# Altium PCB relay_matrix.PcbDoc (part 1 of 5) (continued)
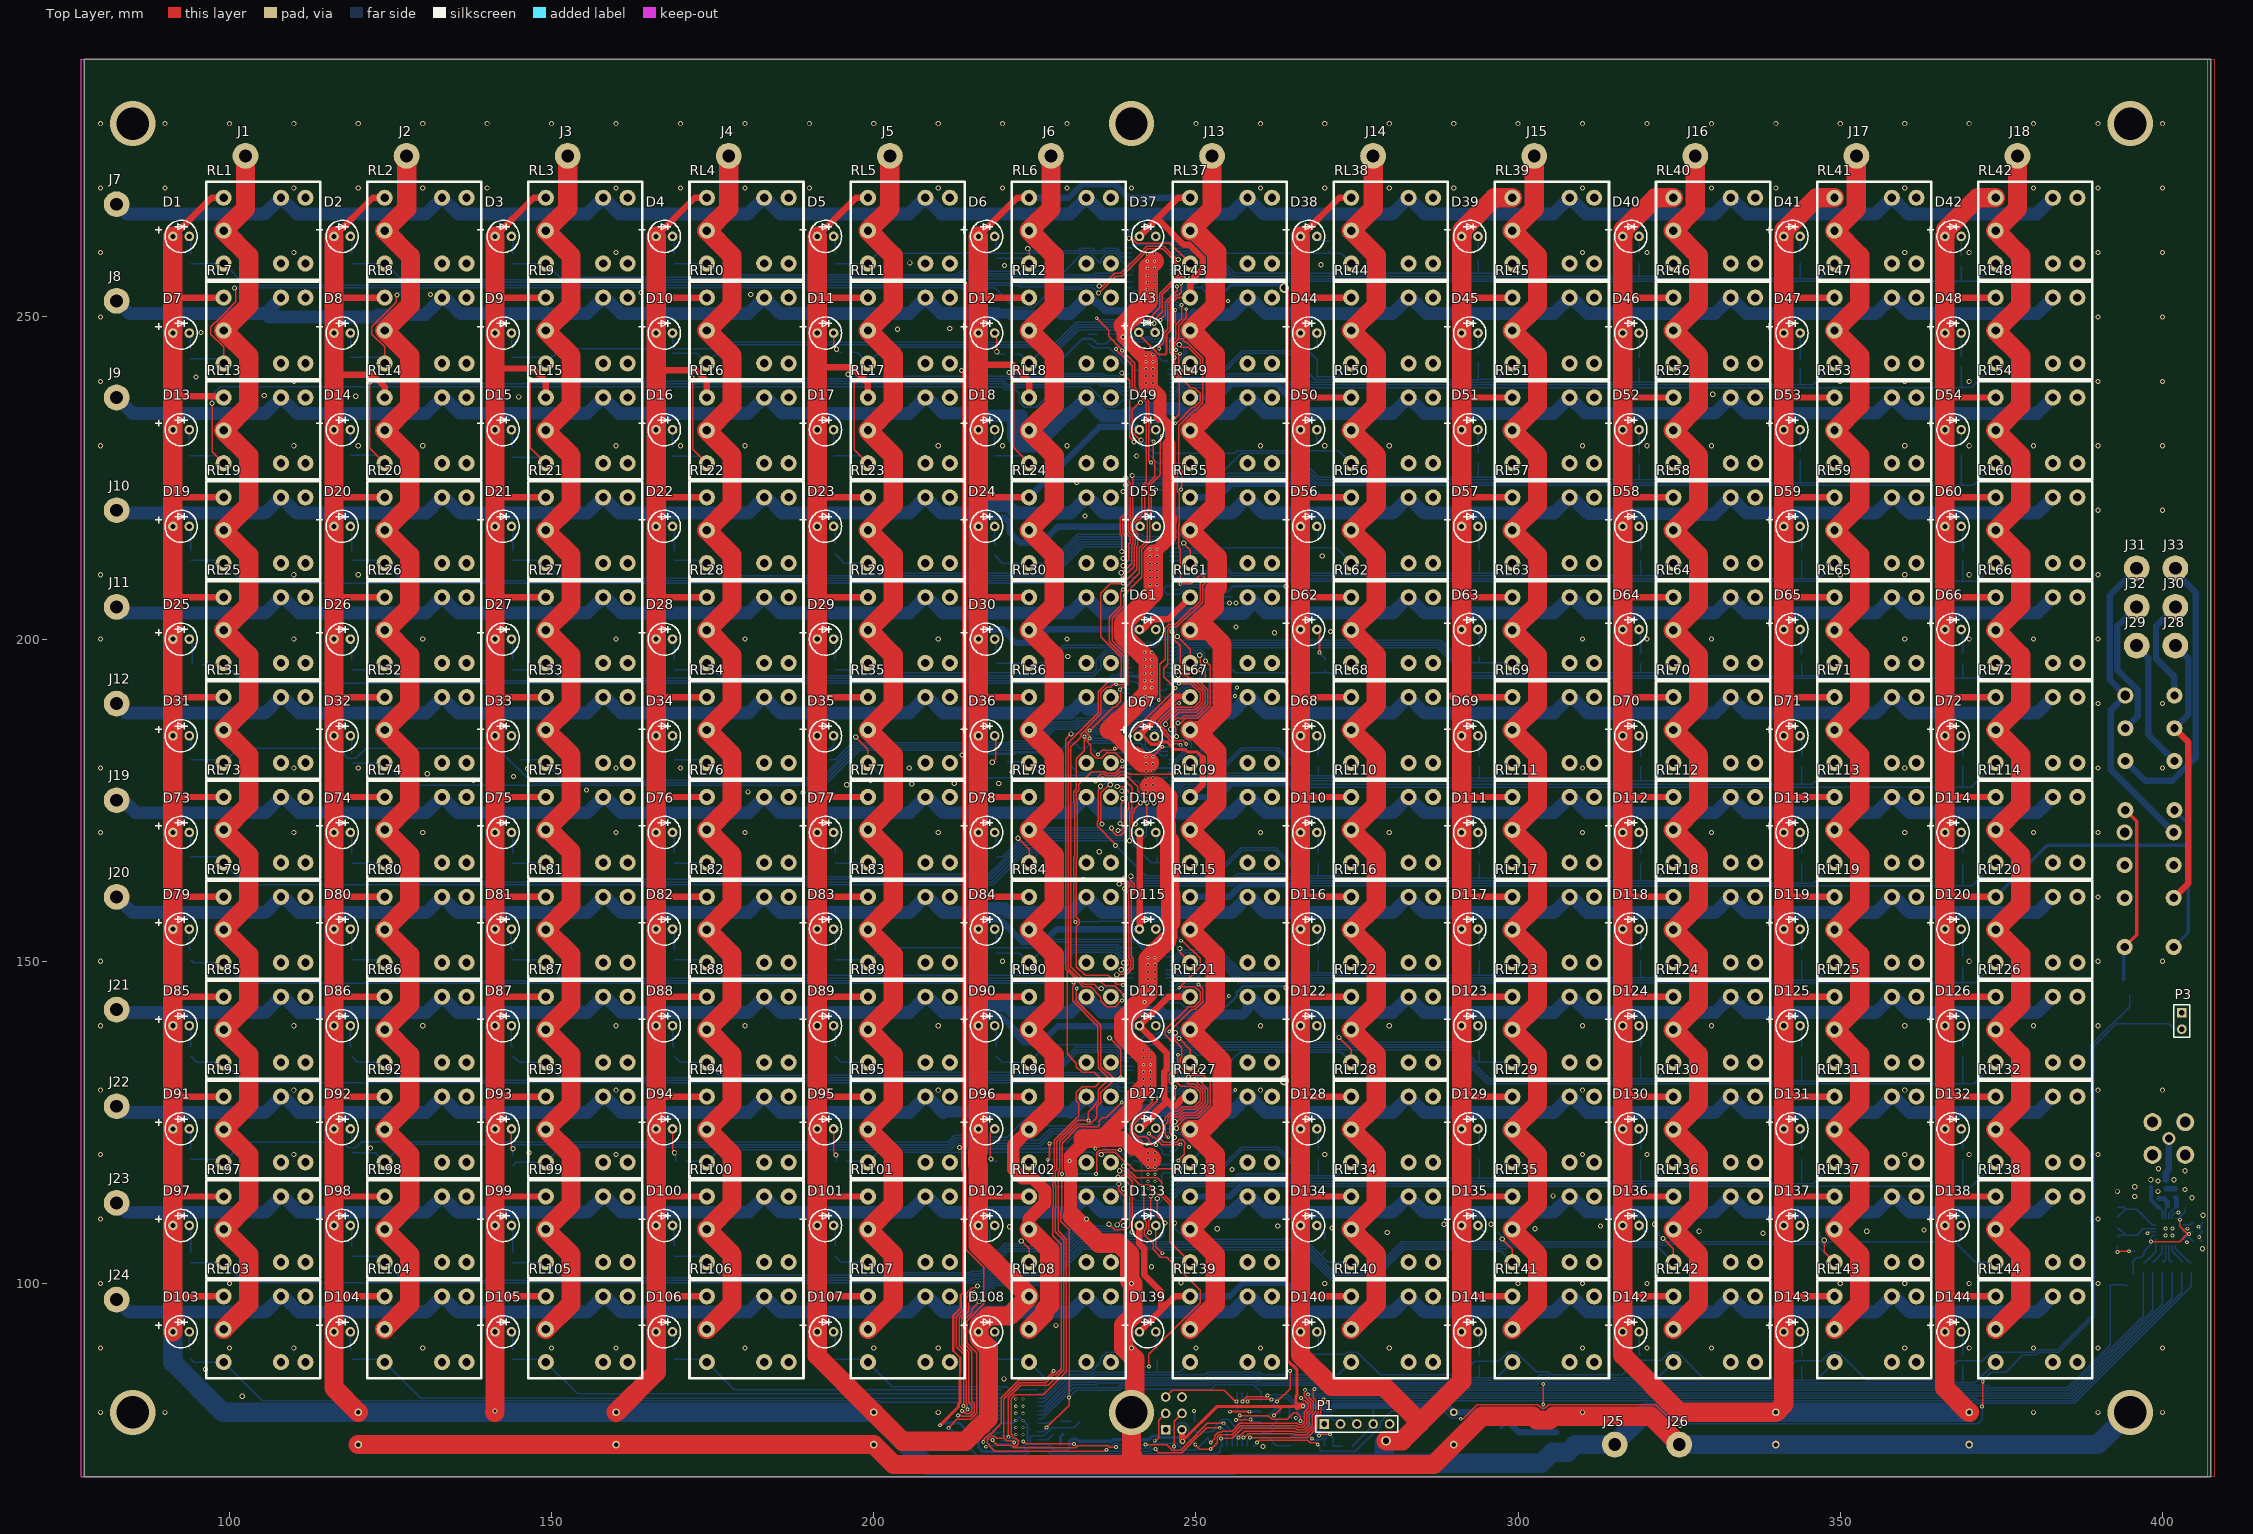
[diagram p0: Top Layer view]
## Components (designator, comment, footprint, x,y, rotation, side; value= is the part's Value field where it differs from the comment) (continued)
D129 "LED0" LED_round_5mm 292.5,124 r0 top
D130 "LED0" LED_round_5mm 317.5,124 r0 top
D131 "LED0" LED_round_5mm 342.5,124 r0 top
D132 "LED0" LED_round_5mm 367.5,124 r0 top
D133 "LED0" LED_round_5mm 242.5,109 r0 top
D134 "LED0" LED_round_5mm 267.5,109 r0 top
D135 "LED0" LED_round_5mm 292.5,109 r0 top
D136 "LED0" LED_round_5mm 317.5,109 r0 top
D137 "LED0" LED_round_5mm 342.5,109 r0 top
D138 "LED0" LED_round_5mm 367.5,109 r0 top
D139 "LED0" LED_round_5mm 242.5,92.5 r0 top
D140 "LED0" LED_round_5mm 267.5,92.5 r0 top
D141 "LED0" LED_round_5mm 292.5,92.5 r0 top
D142 "LED0" LED_round_5mm 317.5,92.5 r0 top
D143 "LED0" LED_round_5mm 342.5,92.5 r0 top
D144 "LED0" LED_round_5mm 367.5,92.5 r0 top
D145 "LED0" J1-0603 252.2,256.9 r180 bottom
D146 "LED0" J1-0603 233.2,246.6 r270 bottom
D147 "LED0" J1-0603 254.1,207.3 r90 bottom
D148 "LED0" J1-0603 252.4,194.4 r180 bottom
D149 "LED0" J1-0603 230.5,181.2 r270 bottom
D150 "LED0" J1-0603 252.8,147.05 r90 bottom
D151 "LED0" J1-0603 234.4,121.7 r0 bottom
D152 "LED0" J1-0603 228.2,78.6 r180 bottom
D154 "LED0" J1-0603 252.3,135.4 r180 bottom
J1 "Audio" Conn_1_2x4 102.5,275 r0 top
J2 "Audio" Conn_1_2x4 127.5,275 r0 top
J3 "Audio" Conn_1_2x4 152.5,275 r0 top
J4 "Audio" Conn_1_2x4 177.5,275 r0 top
J5 "Audio" Conn_1_2x4 202.5,275 r0 top
J6 "Audio" Conn_1_2x4 227.5,275 r0 top
J7 "Audio" Conn_1_2x4 82.5,267.5 r0 top
J8 "Audio" Conn_1_2x4 82.5,252.5 r0 top
J9 "Audio" Conn_1_2x4 82.5,237.5 r0 top
J10 "Audio" Conn_1_2x4 82.5,220 r0 top
J11 "Audio" Conn_1_2x4 82.5,205 r0 top
J12 "Audio" Conn_1_2x4 82.5,190 r0 top
J13 "Audio" Conn_1_2x4 252.5,275 r0 top
J14 "Audio" Conn_1_2x4 277.5,275 r0 top
J15 "Audio" Conn_1_2x4 302.5,275 r0 top
J16 "Audio" Conn_1_2x4 327.5,275 r0 top
J17 "Audio" Conn_1_2x4 352.5,275 r0 top
J18 "Audio" Conn_1_2x4 377.5,275 r0 top
J19 "Audio" Conn_1_2x4 82.5,175 r0 top
J20 "Audio" Conn_1_2x4 82.5,160 r0 top
J21 "Audio" Conn_1_2x4 82.5,142.5 r0 top
J22 "Audio" Conn_1_2x4 82.5,127.5 r0 top
J23 "Audio" Conn_1_2x4 82.5,112.5 r0 top
J24 "Audio" Conn_1_2x4 82.5,97.5 r0 top
J25 "Audio" Conn_1_2x4 315,75 r0 top
J26 "Audio" Conn_1_2x4 325,75 r0 top
J27 "COAX-F" MCX5.08-H5 401,122.5 r180 bottom
J28 "Headphone dst" Conn_1_2x4 402,199 r0 top
J29 "Vocoder src" Conn_1_2x4 396,199 r0 top
J30 "Room speaker dst" Conn_1_2x4 402,205 r0 top
J31 "Voice mic src" Conn_1_2x4 396,211 r0 top
J32 "Room mic src" Conn_1_2x4 396,205 r0 top
J33 "Vocoder dst" Conn_1_2x4 402,211 r0 top
L1 "Inductor" 1608[0603] 402,114 r270 bottom
L2 "Inductor" 1608[0603] 401.5,112 r0 bottom
L3 "Inductor" 1608[0603] 399.5,112.5 r90 bottom
P1 "Uart" HDR1X5 269.9,78.2 r0 top
P2 "Programming" HDR2X3H 245.3,77.3 r90 bottom
P3 "Header 2" HDR1X2 403,142 r270 top
Q1 "MOSFET-N" SOT23_M 394,146 r90 bottom
R1 "Res3" J1-0603 94,259 r90 bottom
R2 "Res3" J1-0603 119,259 r90 bottom
R3 "Res3" J1-0603 144,259 r90 bottom
R4 "Res3" J1-0603 169,259 r90 bottom
R5 "Res3" J1-0603 194,259 r90 bottom
R6 "Res3" J1-0603 219.046,259.85 r90 bottom
R7 "Res3" J1-0603 93.9,244.3 r90 bottom
R8 "Res3" J1-0603 118.8,244.5 r90 bottom
R9 "Res3" J1-0603 143.8,244.5 r90 bottom
R10 "Res3" J1-0603 168.8,245.1 r90 bottom
R11 "Res3" J1-0603 195.8,244.5 r180 bottom
R12 "Res3" J1-0603 221.1,244.2 r180 bottom
R13 "Res3" J1-0603 93.8,229.2 r90 bottom
R14 "Res3" J1-0603 118.8,229.3 r90 bottom
R15 "Res3" J1-0603 143.9,229 r90 bottom
R16 "Res3" J1-0603 168.7,229.1 r90 bottom
R17 "Res3" J1-0603 193.8,229.2 r90 bottom
R18 "Res3" J1-0603 218.8,229.2 r90 bottom
R19 "Res3" J1-0603 94,213 r90 bottom
R20 "Res3" J1-0603 119,213 r90 bottom
R21 "Res3" J1-0603 144,213 r90 bottom
R22 "Res3" J1-0603 169,213 r90 bottom
R23 "Res3" J1-0603 194,214 r90 bottom
R24 "Res3" J1-0603 218.8,213.8 r90 bottom
R25 "Res3" J1-0603 95,196 r180 bottom
R26 "Res3" J1-0603 119,196 r90 bottom
R27 "Res3" J1-0603 144,196 r90 bottom
R28 "Res3" J1-0603 169,196 r90 bottom
R29 "Res3" J1-0603 194,196 r90 bottom
R30 "Res3" J1-0603 219,197 r90 bottom
R31 "Res3" J1-0603 94,182 r90 bottom
R32 "Res3" J1-0603 119,181.5 r90 bottom
R33 "Res3" J1-0603 145,182 r90 bottom
R34 "Res3" J1-0603 169,182 r90 bottom
R35 "Res3" J1-0603 193,182 r90 bottom
R36 "Res3" J1-0603 220,181 r180 bottom
R37 "Res3" J1-0603 241.3,264.2 r0 bottom
R38 "Res3" J1-0603 270.7,261.1 r90 bottom
R39 "Res3" J1-0603 293.8,259.7 r90 bottom
R40 "Res3" J1-0603 318.8,259.1 r90 bottom
R41 "Res3" J1-0603 343.8,259.2 r90 bottom
R42 "Res3" J1-0603 368.8,258.7 r90 bottom
R43 "Res3" J1-0603 246,248 r180 bottom
R44 "Res3" J1-0603 268.8,244.1 r90 bottom
R45 "Res3" J1-0603 293.8,243.7 r90 bottom
R46 "Res3" J1-0603 318.8,242.9 r90 bottom
R47 "Res3" J1-0603 343.8,242.7 r90 bottom
R48 "Res3" J1-0603 368.8,243.1 r90 bottom
R49 "Res3" J1-0603 244.7,228.85 r90 bottom
R50 "Res3" J1-0603 268.9,229.6 r90 bottom
R51 "Res3" J1-0603 293.8,228.1 r90 bottom
R52 "Res3" J1-0603 318.8,227.9 r90 bottom
R53 "Res3" J1-0603 343.8,228.5 r90 bottom
R54 "Res3" J1-0603 368.8,229.3 r90 bottom
R55 "Res3" J1-0603 246,217 r180 bottom
R56 "Res3" J1-0603 269,215 r90 bottom
R57 "Res3" J1-0603 294,213 r90 bottom
R58 "Res3" J1-0603 319,213 r90 bottom
R59 "Res3" J1-0603 344,213 r90 bottom
R60 "Res3" J1-0603 369,213 r90 bottom
R61 "Res3" J1-0603 246,202.4 r180 bottom
R62 "Res3" J1-0603 270,196 r90 bottom
R63 "Res3" J1-0603 294,198 r90 bottom
R64 "Res3" J1-0603 319,197 r90 bottom
R65 "Res3" J1-0603 344,197 r90 bottom
R66 "Res3" J1-0603 369,197 r90 bottom
R67 "Res3" J1-0603 250,183 r180 bottom
R68 "Res3" J1-0603 269,181 r90 bottom
R69 "Res3" J1-0603 294,181 r90 bottom
R70 "Res3" J1-0603 319,181 r90 bottom
R71 "Res3" J1-0603 344,181 r90 bottom
R72 "Res3" J1-0603 369,181 r90 bottom
R73 "Res3" J1-0603 94,167 r90 bottom
R74 "Res3" J1-0603 119,166 r90 bottom
R75 "Res3" J1-0603 144,166 r90 bottom
R76 "Res3" J1-0603 169,166 r90 bottom
R77 "Res3" J1-0603 194,166 r90 bottom
R78 "Res3" J1-0603 219,167 r90 bottom
R79 "Res3" J1-0603 94,151 r90 bottom
R80 "Res3" J1-0603 119,151 r90 bottom
R81 "Res3" J1-0603 144,151 r90 bottom
R82 "Res3" J1-0603 169,151 r90 bottom
R83 "Res3" J1-0603 194,151 r90 bottom
R84 "Res3" J1-0603 219,152 r90 bottom
R85 "Res3" J1-0603 94,136 r90 bottom
R86 "Res3" J1-0603 119,136 r90 bottom
R87 "Res3" J1-0603 144,136 r90 bottom
R88 "Res3" J1-0603 169,136 r90 bottom
R89 "Res3" J1-0603 194,136 r90 bottom
R90 "Res3" J1-0603 219,136 r90 bottom
R91 "Res3" J1-0603 94,120 r90 bottom
R92 "Res3" J1-0603 119,121 r90 bottom
R93 "Res3" J1-0603 144,119 r90 bottom
R94 "Res3" J1-0603 170,119 r180 bottom
R95 "Res3" J1-0603 195,119 r180 bottom
R96 "Res3" J1-0603 220,119 r180 bottom
R97 "Res3" J1-0603 94,104 r90 bottom
R98 "Res3" J1-0603 119,105 r90 bottom
R99 "Res3" J1-0603 144,104 r90 bottom
R100 "Res3" J1-0603 169,105 r90 bottom
R101 "Res3" J1-0603 194,105 r90 bottom
R102 "Res3" J1-0603 218,106 r90 bottom
R103 "Res3" J1-0603 94,89 r90 bottom
R104 "Res3" J1-0603 119,89 r90 bottom
R105 "Res3" J1-0603 144,89 r90 bottom
R106 "Res3" J1-0603 169,89 r90 bottom
R107 "Res3" J1-0603 194,89 r90 bottom
R108 "Res3" J1-0603 219,89 r90 bottom
R109 "Res3" J1-0603 244,167 r90 bottom
R110 "Res3" J1-0603 269,166 r90 bottom
R111 "Res3" J1-0603 294,166 r90 bottom
R112 "Res3" J1-0603 319,166 r90 bottom
R113 "Res3" J1-0603 344,166 r90 bottom
R114 "Res3" J1-0603 369,166 r90 bottom
R115 "Res3" J1-0603 246,154 r90 bottom
R116 "Res3" J1-0603 269,151 r90 bottom
R117 "Res3" J1-0603 294,151 r90 bottom
R118 "Res3" J1-0603 319,151 r90 bottom
R119 "Res3" J1-0603 344,151 r90 bottom
R120 "Res3" J1-0603 369,150 r90 bottom
R121 "Res3" J1-0603 246,140 r180 bottom
R122 "Res3" J1-0603 271,139 r180 bottom
R123 "Res3" J1-0603 294,137 r90 bottom
R124 "Res3" J1-0603 319,136 r90 bottom
R125 "Res3" J1-0603 344,136 r90 bottom
R126 "Res3" J1-0603 369,136 r90 bottom
R127 "Res3" J1-0603 251,121 r90 bottom
R128 "Res3" J1-0603 269,120 r90 bottom
R129 "Res3" J1-0603 294,120 r90 bottom
R130 "Res3" J1-0603 319,120 r90 bottom
R131 "Res3" J1-0603 344,120 r90 bottom
R132 "Res3" J1-0603 369,120 r90 bottom
R133 "Res3" J1-0603 245,104 r180 bottom
R134 "Res3" J1-0603 270,106 r90 bottom
R135 "Res3" J1-0603 296,108 r180 bottom
R136 "Res3" J1-0603 321,108 r180 bottom
R137 "Res3" J1-0603 346,108 r180 bottom
R138 "Res3" J1-0603 369,106 r90 bottom
R139 "Res3" J1-0603 244,89 r90 bottom
R140 "Res3" J1-0603 269,89 r90 bottom
R141 "Res3" J1-0603 294,88 r90 bottom
R142 "Res3" J1-0603 319,88 r90 bottom
R143 "Res3" J1-0603 344,88 r90 bottom
R144 "Res3" J1-0603 369,88 r90 bottom
R145 "Res3" J1-0603 253.1,253.2 r90 bottom
R146 "Res3" J1-0603 237.5,246.6 r270 bottom
R147 "Res3" J1-0603 252.7,206.9 r90 bottom
R148 "Res3" J1-0603 252.6,190.9 r90 bottom
R149 "Res3" J1-0603 234.9,183.1 r0 bottom
R150 "Res3" J1-0603 254.1,144.5 r90 bottom
R151 "Res3" J1-0603 251.4,129 r90 bottom
R152 "Res3" J1-0603 229.2,121.8 r0 bottom
R153 "Res3" J1-0603 228.6,76.6 r180 bottom
R154 "Res3" J1-0603 252.2,255.3 r0 bottom
R155 "Res3" J1-0603 234.7,246.6 r90 bottom
R156 "Res3" J1-0603 255.6,207.3 r270 bottom
R157 "Res3" J1-0603 251.9,192.8 r0 bottom
R158 "Res3" J1-0603 231.3,183.1 r180 bottom
R159 "Res3" J1-0603 252.8,144.5 r90 bottom
R160 "Res3" J1-0603 253.1,133.1 r90 bottom
R161 "Res3" J1-0603 231.8,121.7 r0 bottom
R162 "Res3" J1-0603 231.3,78.6 r180 bottom
R163 "Res3" J1-0603 405.5,109.5 r0 bottom
R164 "Res3" J1-0603 404.5,102.5 r270 bottom
R165 "Res3" J1-0603 403,102.5 r270 bottom
R166 "Res3" J1-0603 401.5,102.5 r270 bottom
R167 "Res3" J1-0603 400,102.5 r270 bottom
R168 "Res3" J1-0603 398.5,102.5 r270 bottom
R169 "Res3" J1-0603 397,102.5 r270 bottom
R170 "Res3" J1-0603 393,109.5 r90 bottom
R171 "Res3" J1-0603 273.5,74.7 r0 bottom
RL1 "Relay" Relay_FRA3 108,268.5 r0 top locked
RL2 "Relay" Relay_FRA3 133,268.5 r0 top locked
RL3 "Relay" Relay_FRA3 158,268.5 r0 top locked
RL4 "Relay" Relay_FRA3 183,268.5 r0 top locked
RL5 "Relay" Relay_FRA3 208,268.5 r0 top locked
RL6 "Relay" Relay_FRA3 233,268.5 r0 top locked
RL7 "Relay" Relay_FRA3 108,253 r0 top locked
RL8 "Relay" Relay_FRA3 133,253 r0 top locked
RL9 "Relay" Relay_FRA3 158,253 r0 top locked
RL10 "Relay" Relay_FRA3 183,253 r0 top locked
RL11 "Relay" Relay_FRA3 208,253 r0 top locked
RL12 "Relay" Relay_FRA3 233,253 r0 top locked
RL13 "Relay" Relay_FRA3 108,237.5 r0 top locked
RL14 "Relay" Relay_FRA3 133,237.5 r0 top locked
RL15 "Relay" Relay_FRA3 158,237.5 r0 top locked
RL16 "Relay" Relay_FRA3 183,237.5 r0 top locked
RL17 "Relay" Relay_FRA3 208,237.5 r0 top locked
RL18 "Relay" Relay_FRA3 233,237.5 r0 top locked
RL19 "Relay" Relay_FRA3 108,222 r0 top locked
RL20 "Relay" Relay_FRA3 133,222 r0 top locked
RL21 "Relay" Relay_FRA3 158,222 r0 top locked
RL22 "Relay" Relay_FRA3 183,222 r0 top locked
RL23 "Relay" Relay_FRA3 208,222 r0 top locked
RL24 "Relay" Relay_FRA3 233,222 r0 top locked
RL25 "Relay" Relay_FRA3 108,206.5 r0 top locked
RL26 "Relay" Relay_FRA3 133,206.5 r0 top locked
RL27 "Relay" Relay_FRA3 158,206.5 r0 top locked
RL28 "Relay" Relay_FRA3 183,206.5 r0 top locked
RL29 "Relay" Relay_FRA3 208,206.5 r0 top locked
RL30 "Relay" Relay_FRA3 233,206.5 r0 top locked
RL31 "Relay" Relay_FRA3 108,191 r0 top locked
RL32 "Relay" Relay_FRA3 133,191 r0 top locked
RL33 "Relay" Relay_FRA3 158,191 r0 top locked
RL34 "Relay" Relay_FRA3 183,191 r0 top locked
RL35 "Relay" Relay_FRA3 208,191 r0 top locked
RL36 "Relay" Relay_FRA3 233,191 r0 top locked
RL37 "Relay" Relay_FRA3 258,268.5 r0 top locked
RL38 "Relay" Relay_FRA3 283,268.5 r0 top locked
RL39 "Relay" Relay_FRA3 308,268.5 r0 top locked
RL40 "Relay" Relay_FRA3 333,268.5 r0 top locked
RL41 "Relay" Relay_FRA3 358,268.5 r0 top locked
RL42 "Relay" Relay_FRA3 383,268.5 r0 top locked
RL43 "Relay" Relay_FRA3 258,253 r0 top locked
RL44 "Relay" Relay_FRA3 283,253 r0 top locked
RL45 "Relay" Relay_FRA3 308,253 r0 top locked
RL46 "Relay" Relay_FRA3 333,253 r0 top locked
RL47 "Relay" Relay_FRA3 358,253 r0 top locked
RL48 "Relay" Relay_FRA3 383,253 r0 top locked
RL49 "Relay" Relay_FRA3 258,237.5 r0 top locked
RL50 "Relay" Relay_FRA3 283,237.5 r0 top locked
RL51 "Relay" Relay_FRA3 308,237.5 r0 top locked
RL52 "Relay" Relay_FRA3 333,237.5 r0 top locked
RL53 "Relay" Relay_FRA3 358,237.5 r0 top locked
RL54 "Relay" Relay_FRA3 383,237.5 r0 top locked
RL55 "Relay" Relay_FRA3 258,222 r0 top locked
RL56 "Relay" Relay_FRA3 283,222 r0 top locked
RL57 "Relay" Relay_FRA3 308,222 r0 top locked
RL58 "Relay" Relay_FRA3 333,222 r0 top locked
RL59 "Relay" Relay_FRA3 358,222 r0 top locked
RL60 "Relay" Relay_FRA3 383,222 r0 top locked
RL61 "Relay" Relay_FRA3 258,206.5 r0 top locked
RL62 "Relay" Relay_FRA3 283,206.5 r0 top locked
RL63 "Relay" Relay_FRA3 308,206.5 r0 top locked
RL64 "Relay" Relay_FRA3 333,206.5 r0 top locked
RL65 "Relay" Relay_FRA3 358,206.5 r0 top locked
RL66 "Relay" Relay_FRA3 383,206.5 r0 top locked
RL67 "Relay" Relay_FRA3 258,191 r0 top locked
RL68 "Relay" Relay_FRA3 283,191 r0 top locked
RL69 "Relay" Relay_FRA3 308,191 r0 top locked
RL70 "Relay" Relay_FRA3 333,191 r0 top locked
RL71 "Relay" Relay_FRA3 358,191 r0 top locked
RL72 "Relay" Relay_FRA3 383,191 r0 top locked
RL73 "Relay" Relay_FRA3 108,175.5 r0 top locked
RL74 "Relay" Relay_FRA3 133,175.5 r0 top locked
RL75 "Relay" Relay_FRA3 158,175.5 r0 top locked
RL76 "Relay" Relay_FRA3 183,175.5 r0 top locked
RL77 "Relay" Relay_FRA3 208,175.5 r0 top locked
RL78 "Relay" Relay_FRA3 233,175.5 r0 top locked
RL79 "Relay" Relay_FRA3 108,160 r0 top locked
RL80 "Relay" Relay_FRA3 133,160 r0 top locked
RL81 "Relay" Relay_FRA3 158,160 r0 top locked
RL82 "Relay" Relay_FRA3 183,160 r0 top locked
RL83 "Relay" Relay_FRA3 208,160 r0 top locked
RL84 "Relay" Relay_FRA3 233,160 r0 top locked
RL85 "Relay" Relay_FRA3 108,144.5 r0 top locked
RL86 "Relay" Relay_FRA3 133,144.5 r0 top locked
RL87 "Relay" Relay_FRA3 158,144.5 r0 top locked
RL88 "Relay" Relay_FRA3 183,144.5 r0 top locked
RL89 "Relay" Relay_FRA3 208,144.5 r0 top locked
RL90 "Relay" Relay_FRA3 233,144.5 r0 top locked
RL91 "Relay" Relay_FRA3 108,129 r0 top locked
RL92 "Relay" Relay_FRA3 133,129 r0 top locked
RL93 "Relay" Relay_FRA3 158,129 r0 top locked
RL94 "Relay" Relay_FRA3 183,129 r0 top locked
RL95 "Relay" Relay_FRA3 208,129 r0 top locked
RL96 "Relay" Relay_FRA3 233,129 r0 top locked
RL97 "Relay" Relay_FRA3 108,113.5 r0 top locked
RL98 "Relay" Relay_FRA3 133,113.5 r0 top locked
RL99 "Relay" Relay_FRA3 158,113.5 r0 top locked
RL100 "Relay" Relay_FRA3 183,113.5 r0 top locked
RL101 "Relay" Relay_FRA3 208,113.5 r0 top locked
RL102 "Relay" Relay_FRA3 233,113.5 r0 top locked
RL103 "Relay" Relay_FRA3 108,98 r0 top locked
RL104 "Relay" Relay_FRA3 133,98 r0 top locked
RL105 "Relay" Relay_FRA3 158,98 r0 top locked
RL106 "Relay" Relay_FRA3 183,98 r0 top locked
RL107 "Relay" Relay_FRA3 208,98 r0 top locked
RL108 "Relay" Relay_FRA3 233,98 r0 top locked
RL109 "Relay" Relay_FRA3 258,175.5 r0 top locked
RL110 "Relay" Relay_FRA3 283,175.5 r0 top locked
RL111 "Relay" Relay_FRA3 308,175.5 r0 top locked
RL112 "Relay" Relay_FRA3 333,175.5 r0 top locked
RL113 "Relay" Relay_FRA3 358,175.5 r0 top locked
RL114 "Relay" Relay_FRA3 383,175.5 r0 top locked
RL115 "Relay" Relay_FRA3 258,160 r0 top locked
RL116 "Relay" Relay_FRA3 283,160 r0 top locked
RL117 "Relay" Relay_FRA3 308,160 r0 top locked
RL118 "Relay" Relay_FRA3 333,160 r0 top locked
RL119 "Relay" Relay_FRA3 358,160 r0 top locked
RL120 "Relay" Relay_FRA3 383,160 r0 top locked
RL121 "Relay" Relay_FRA3 258,144.5 r0 top locked
RL122 "Relay" Relay_FRA3 283,144.5 r0 top locked
RL123 "Relay" Relay_FRA3 308,144.5 r0 top locked
RL124 "Relay" Relay_FRA3 333,144.5 r0 top locked
RL125 "Relay" Relay_FRA3 358,144.5 r0 top locked
RL126 "Relay" Relay_FRA3 383,144.5 r0 top locked
RL127 "Relay" Relay_FRA3 258,129 r0 top locked
RL128 "Relay" Relay_FRA3 283,129 r0 top locked
RL129 "Relay" Relay_FRA3 308,129 r0 top locked
RL130 "Relay" Relay_FRA3 333,129 r0 top locked
RL131 "Relay" Relay_FRA3 358,129 r0 top locked
RL132 "Relay" Relay_FRA3 383,129 r0 top locked
RL133 "Relay" Relay_FRA3 258,113.5 r0 top locked
RL134 "Relay" Relay_FRA3 283,113.5 r0 top locked
RL135 "Relay" Relay_FRA3 308,113.5 r0 top locked
RL136 "Relay" Relay_FRA3 333,113.5 r0 top locked
RL137 "Relay" Relay_FRA3 358,113.5 r0 top locked
RL138 "Relay" Relay_FRA3 383,113.5 r0 top locked
RL139 "Relay" Relay_FRA3 258,98 r0 top locked
RL140 "Relay" Relay_FRA3 283,98 r0 top locked
RL141 "Relay" Relay_FRA3 308,98 r0 top locked
RL142 "Relay" Relay_FRA3 333,98 r0 top locked
RL143 "Relay" Relay_FRA3 358,98 r0 top locked
RL144 "Relay" Relay_FRA3 383,98 r0 top locked
RL145 "Relay" Relay_S13 403.113,172.249 r90 bottom
RL146 "Relay" Relay_S13 403,151 r90 bottom
U1 "TLC5940" HTSSOP28 243,257 r0 bottom
U2 "TLC5940" HTSSOP28 242.8,241.4 r180 bottom
U3 "TLC5940" HTSSOP28 242.8,179 r180 bottom
U4 "TLC5940" HTSSOP28 243.1,147.8 r0 bottom
U5 "TLC5940" HTSSOP28 243.4,211.2 r0 bottom
U6 "TLC5940" HTSSOP28 242.6,195.2 r0 bottom
U7 "TLC5940" HTSSOP28 243.1,117.5 r180 bottom
U8 "TLC5940" HTSSOP28 242.4,133.4 r0 bottom
U9 "TLC5940" HTSSOP28 222.6,79.3 r0 bottom
U10 "Atmega168" TQFP-32 256,78.9 r180 bottom
U11 "nRF24L01" QFN20 401,108 r90 bottom
U12 "Volt regulator (TAB out)" SOT223 303,76.9 r180 bottom
U13 "3.3V" SOT23 394.5,100.5 r270 bottom
X1 "Resonator" SMD-RESONATOR 264.7,76.3 r270 bottom
X2 "Crystal" Crystal_7A_series 396,109.5 r90 bottom

## Footprints (in the part's own frame and the unit in brackets; to place one, negate y for a bottom-side part, rotate by r counter-clockwise, add the part's x,y. Pads: shape width x height; smd on the part's side, far side on the other; paste and mask are expansions set on the pad)
1608[0603] [mm] "Chip Capacitor, Body 1.6x0.8mm, IPC High Density"
  rect 0.8x0.9 smd: 1(-0.7,0) 2(0.7,0)
  body extent -0.87,-0.48 0.87,0.48, height 1.3
Cap_10x16mm [mm]
  round 1.2 hole 0.7: 1(0,0) 2(5,0)
  silkscreen extent -2.5,-5 9,5, body extent -2.46,-4.99 7.5,4.99, height 16
Conn_1_2x4 [mm]
  round 4 hole 2: 1(0,0)
Crystal_7A_series [mm] "Molded Capacitor, 2-Leads, Body 5,00x3,20mm, IPC Medium Density"
  rect 2.15x2.05 smd: 1(-2.025,0) 2(2.025,0)
  silkscreen extent -2.6,-1.7 2.6,1.7, body extent -2.57,-1.68 2.58,1.68, height 1.35
HDR1X2 [mm] "Connector; Header; 2 Position"
  rect 1.5x1.5 hole 0.9: 1(0,0)
  round 1.5 hole 0.9: 2(2.54,0)
  silkscreen extent -1.27,-1.27 3.81,1.27
HDR1X5 [mm] "Connector; Header; 5 Position"
  rect 1.5x1.5 hole 0.9: 1(0,0)
  round 1.5 hole 0.9: 2(2.54,0) 3(5.08,0) 4(7.62,0) 5(10.16,0)
  silkscreen extent -1.27,-1.27 11.43,1.27
HDR2X3H [mm] "Connector; Header; 3x2 Position; Right Angle"
  rect 1.5x1.5 hole 0.9: 1(0,0)
  round 1.5 hole 0.9: 2(0,2.54) 3(2.54,0) 4(2.54,2.54) 5(5.08,0) 6(5.08,2.54)
  silkscreen extent -1.27,-6.35 6.35,-1.27
HTSSOP28 [mm] "TSOP, 28-Leads, Body 9,70x4,40mm, Pitch 0,65mm, Thermal Pad 6,20.2x2,40.2mm, IPC Medium Density"
  oval 1.7x0.35 smd: 1(-2.85,4.225) 2(-2.85,3.575) 3(-2.85,2.925) 4(-2.85,2.275) 5(-2.85,1.625) 6(-2.85,0.975) 7(-2.85,0.325) 8(-2.85,-0.325) 9(-2.85,-0.975) 10(-2.85,-1.625) 11(-2.85,-2.275) 12(-2.85,-2.925) 13(-2.85,-3.575) 14(-2.85,-4.225) 15(2.85,-4.225) 16(2.85,-3.575) 17(2.85,-2.925) 18(2.85,-2.275) 19(2.85,-1.625) 20(2.85,-0.975) 21(2.85,-0.325) 22(2.85,0.325) 23(2.85,0.975) 24(2.85,1.625) 25(2.85,2.275) 26(2.85,2.925) 27(2.85,3.575) 28(2.85,4.225)
  rect 2.4x6.2 smd: 29(0,0)
  silkscreen extent -2.97,-4.9 1.6,5.07, body extent -2.25,-4.9 2.25,4.9, height 1.2
J1-0603 [mm] "Chip Resistor, Body 1.6x0.8mm, IPC High Density"
  rect 0.7x0.9 smd: 1(-0.75,0) 2(0.75,0)
  silkscreen extent -0.2,-0.35 0.2,0.35, body extent -0.85,-0.48 0.85,0.48, height 0.9
LED_round_5mm [mm]
  round 1.5 hole 0.8: 1(-1.27,0) 2(1.27,0)
  silkscreen extent -4,-2.5 2.5,2.5, body extent -2.48,-2.49 2.5,2.5, height 8.6
MCX5.08-H5 [mm] "Connector; RF Coaxial, MCX, Thru-Hole; 5 Position; Right-Angle"
  round 2 hole 1.2: 1(0,0)
  round 2.8 hole 1.7: 2(-2.54,-2.54) 3(2.54,-2.54) 4(2.54,2.54) 5(-2.54,2.54)
  silkscreen extent -6.5,-3 3,3
QFN20 [mm] "QFN, 20-Leads, Body 4,00x4,00mm, Pitch 0,50mm, Thermal Pad 2,60x2,60mm, IPC Low Density"
  oval 0.75x0.2 smd: 1(-2.075,1) 2(-2.075,0.5) 3(-2.075,0) 4(-2.075,-0.5) 5(-2.075,-1) 11(2.075,-1) 12(2.075,-0.5) 13(2.075,0) 14(2.075,0.5) 15(2.075,1)
  oval 0.2x0.75 smd: 6(-1,-2.075) 7(-0.5,-2.075) 8(0,-2.075) 9(0.5,-2.075) 10(1,-2.075) 16(1,2.075) 17(0.5,2.075) 18(0,2.075) 19(-0.5,2.075) 20(-1,2.075)
  rect 2.6x2.6 smd: 21(0,0)
  silkscreen extent -2.92,-2.15 2.15,2.15, body extent -2,-2 2,2, height 0.95
Relay_FRA3 [mm] "Miniature power relay"
  round 2.5 hole 1.3: 1(-8.9,0) 2(-8.9,-5.1) 3(-8.9,-10.2) 4(0,-10.2) 5(3.8,-10.2) 6(3.8,0) 7(0,0)
  silkscreen extent -11.6,-12.7 6.1,2.5, body extent -11.6,-12.7 6.1,2.5, height 20
Relay_S13 [mm] "Miniature power relay"
  round 2.5 hole 1.3: 1(1.22,-1.25) 2(1.22,-8.87) 3(8.84,-1.25) 4(8.84,-8.87) 5(13.92,-1.25) 6(13.92,-8.87) 7(19,-1.25)
  round 2.5 hole 1.5: 8(19,-8.87)
  silkscreen extent 0,-10 20,0, body extent -0.1,-10 20,0.1, height 20
SMD-RESONATOR [mm]
  rect 0.7x4.1 smd: 1(-1.5,-0.025) 3(1.5,0)
  rect 1x4.1 smd: 2(0,0)
  silkscreen extent -1.85,-1.55 1.85,1.55
SOT23 [mm] "SOT23, 3-Leads, Body 2,90x2,35mm, Pitch 0,95mm, IPC Medium Density"
  rect 1.6x0.6 smd: 1(-0.9,0.95) 2(-0.9,-0.95) 3(0.9,0)
  silkscreen extent -1.02,-1.5 0.7,1.92, body extent -0.7,-1.5 0.7,1.5, height 1.1
SOT23_M [mm] "SOT23, 3-Leads, Body 2.9x1.3mm, Pitch 0.95mm, Lead Span 2.3mm - Reverse Pinning, IPC Low Density"
  rect 1.45x0.6 smd: 1(1.175,0) 2(-1.175,-0.95) 3(-1.175,0.95)
  silkscreen extent -0.1,-1.5 1.47,1.5, body extent -0.7,-1.5 0.7,1.5, height 1.1
SOT223 [mm] "SOT223, 4-Leads, Body 6,50x7,00mm (avg), Pitch 2,30mm, IPC Medium Density"
  rect 2.4x1 smd: 1(-2.9,2.3) 2(-2.9,0) 3(-2.9,-2.3)
  rect 2.4x3.3 smd: 4(2.9,0)
  silkscreen extent -3.03,-3.35 1.4,3.47, body extent -1.85,-3.35 1.85,3.35, height 1.8
TQFP-32 [mm] "TQFP, 32-Leads, Body 7,00x7,00mm, Pitch 0,80mm, IPC Medium Density"
  oval 1.75x0.55 smd mask+0.05: 1(-4.125,2.8) 2(-4.125,2) 3(-4.125,1.2) 4(-4.125,0.4) 5(-4.125,-0.4) 6(-4.125,-1.2) 7(-4.125,-2) 8(-4.125,-2.8) 17(4.125,-2.8) 18(4.125,-2) 19(4.125,-1.2) 20(4.125,-0.4) 21(4.125,0.4) 22(4.125,1.2) 23(4.125,2) 24(4.125,2.8)
  oval 0.55x1.75 smd mask+0.05: 9(-2.8,-4.125) 10(-2,-4.125) 11(-1.2,-4.125) 12(-0.4,-4.125) 13(0.4,-4.125) 14(1.2,-4.125) 15(2,-4.125) 16(2.8,-4.125) 25(2.8,4.125) 26(2,4.125) 27(1.2,4.125) 28(0.4,4.125) 29(-0.4,4.125) 30(-1.2,4.125) 31(-2,4.125) 32(-2.8,4.125)
  silkscreen extent -4.25,-2.85 2.85,3.75, body extent -3.5,-3.5 3.5,3.5, height 1.2

## Part data
C1 C2 C3 C4 C5 C6 C7 C8 C9 C11 C16 C17 C18 C19 C20 C21 C22 C23 C24 C25 C26 C27 C29 C30 C31 C32 C33 C34 C35: "Capacitor (Semiconductor SIM Model)"
C10 C12 C13 C14 C15 C28: "Capacitor"
D1 D2 D3 D4 D5 D6 D7 D8 D9 D10 D11 D12 D13 D14 D15 D16 D17 D18 D19 D20 D21 D22 D23 D24 D25 D26 D27 D28 D29 D30 D31 D32 D33 D34 D35 D36 D37 D38 D39 D40 D41 D42 D43 D44 D45 D46 D47 D48 D49 D50 D51 D52 D53 D54 D55 D56 D57 D58 D59 D60 D61 D62 D63 D64 D65 D66 D67 D68 D69 D70 D71 D72 D73 D74 D75 D76 D77 D78 D79 D80 D81 D82 D83 D84 D85 D86 D87 D88 D89 D90 D91 D92 D93 D94 D95 D96 D97 D98 D99 D100 D101 D102 D103 D104 D105 D106 D107 D108 D109 D110 D111 D112 D113 D114 D115 D116 D117 D118 D119 D120 D121 D122 D123 D124 D125 D126 D127 D128 D129 D130 D131 D132 D133 D134 D135 D136 D137 D138 D139 D140 D141 D142 D143 D144 D145 D146 D147 D148 D149 D150 D151 D152 D154: "Typical INFRARED GaAs LED"
J1 J2 J3 J4 J5 J6 J7 J8 J9 J10 J11 J12 J13 J14 J15 J16 J17 J18 J19 J20 J21 J22 J23 J24 J25 J26 J28 J29 J30 J31 J32 J33: library part Socket, "Socket"
J27: "RF Coaxial PCB Connector, MCX; Thru-Hole, Right-Angle Mount Socket, Blunt Post Terminal, 50 Ohm Impedance"
P1: library part "Header 5", "Header, 5-Pin"
P2: library part "Header 3X2H", "Header, 3-Pin, Dual row, Right Angle"
P3: "Header, 2-Pin"
Q1: "N-Channel MOSFET"
R1 R2 R3 R4 R5 R6 R7 R8 R9 R10 R11 R12 R13 R14 R15 R16 R17 R18 R19 R20 R21 R22 R23 R24 R25 R26 R27 R28 R29 R30 R31 R32 R33 R34 R35 R36 R37 R38 R39 R40 R41 R42 R43 R44 R45 R46 R47 R48 R49 R50 R51 R52 R53 R54 R55 R56 R57 R58 R59 R60 R61 R62 R63 R64 R65 R66 R67 R68 R69 R70 R71 R72 R73 R74 R75 R76 R77 R78 R79 R80 R81 R82 R83 R84 R85 R86 R87 R88 R89 R90 R91 R92 R93 R94 R95 R96 R97 R98 R99 R100 R101 R102 R103 R104 R105 R106 R107 R108 R109 R110 R111 R112 R113 R114 R115 R116 R117 R118 R119 R120 R121 R122 R123 R124 R125 R126 R127 R128 R129 R130 R131 R132 R133 R134 R135 R136 R137 R138 R139 R140 R141 R142 R143 R144 R145 R146 R147 R148 R149 R150 R151 R152 R153 R154 R155 R156 R157 R158 R159 R160 R161 R162 R163 R164 R165 R166 R167 R168 R169 R170 R171: "Resistor"
RL1 RL2 RL3 RL4 RL5 RL6 RL7 RL8 RL9 RL10 RL11 RL12 RL13 RL14 RL15 RL16 RL17 RL18 RL19 RL20 RL21 RL22 RL23 RL24 RL25 RL26 RL27 RL28 RL29 RL30 RL31 RL32 RL33 RL34 RL35 RL36 RL37 RL38 RL39 RL40 RL41 RL42 RL43 RL44 RL45 RL46 RL47 RL48 RL49 RL50 RL51 RL52 RL53 RL54 RL55 RL56 RL57 RL58 RL59 RL60 RL61 RL62 RL63 RL64 RL65 RL66 RL67 RL68 RL69 RL70 RL71 RL72 RL73 RL74 RL75 RL76 RL77 RL78 RL79 RL80 RL81 RL82 RL83 RL84 RL85 RL86 RL87 RL88 RL89 RL90 RL91 RL92 RL93 RL94 RL95 RL96 RL97 RL98 RL99 RL100 RL101 RL102 RL103 RL104 RL105 RL106 RL107 RL108 RL109 RL110 RL111 RL112 RL113 RL114 RL115 RL116 RL117 RL118 RL119 RL120 RL121 RL122 RL123 RL124 RL125 RL126 RL127 RL128 RL129 RL130 RL131 RL132 RL133 RL134 RL135 RL136 RL137 RL138 RL139 RL140 RL141 RL142 RL143 RL144: library part Relay_FRA3, "Miniature power relay"
RL145 RL146: library part Relay_S13, "Miniature power relay"
U1 U2 U3 U4 U5 U6 U7 U8 U9: "16 CHANNEL LED DRIVER WITH DOT CORRECTION AND GRAYSCALE PWM CONTROL"
U11: "Single Chip 2.4GHz Transciever"
U12: "AP1117"
U13: library part Voltage_regulator_3pin, "Fixed voltage regulator"

## Via types
v1: diameter 0.8, hole 0.5, Top Layer to Bottom Layer, tented both sides, 222 vias
v2: diameter 0.8, hole 0.5, Top Layer to Bottom Layer, 209 vias
v3: diameter 0.6, hole 0.3, Top Layer to Bottom Layer, 179 vias
v4: diameter 0.5, hole 0.3, Top Layer to Bottom Layer, 108 vias
v5: diameter 7, hole 5, Top Layer to Bottom Layer, 6 vias
v6: diameter 1.5, hole 1, Top Layer to Bottom Layer, 3 vias

## Nets (pads, with @x,y where several pads share a name; then routed paths per layer and width w, separated by ;. In a path a pad name is that pad's centre, name@x,y a point inside that pad or via, vN(x,y) a via of type N, cw(c..) or ccw(c..) an arc to the next point about the centre after c; other vN are vias at no path point)
3V3: C19.2 C21.1 C25.1 C33.1 U11.7 U11.15 U11.18 U13.2 | length 22.8
  Top Layer w0.2: v3(398.2,106.5) 402.7,106.5 v3@403.9,107.7 ; v3(402.7,109.9) 402.7,108.85 403.851,107.7 v3@403.9,107.7 ; v3@403.9,107.7 v3(404.099,107.7) 403.999,107.799 v3@403.9,107.7
  Bottom Layer w0.2: U13.2@395.45,101.4 395.45,103.15 C33.1@395.3,103.3 396.1,104.1 396.7,104.1 397.2,104.6 C25.1@397.2,105 398.2,106 v3(398.2,106.5) 398.2,107.2 398.5,107.5 U11.7@398.925,107.5 ; U11.15@402,110.075 402.424,110.075 402.649,110.3 ; v3(402.7,109.9) 402.649,109.951 402.649,110.3 ; U11.18@403.075,108 403.55,108 403.651,107.9 v3@403.899,107.9 ; C21.1@403.5,111.8 403.5,111.151 402.649,110.3 ; v3(404.099,107.7) v3@403.899,107.9 ; C19.2@404.8,108 404.3,108 404.2,107.9 v3@403.899,107.9